# Allegro board MB1219_REVB_160112.brd (continued)
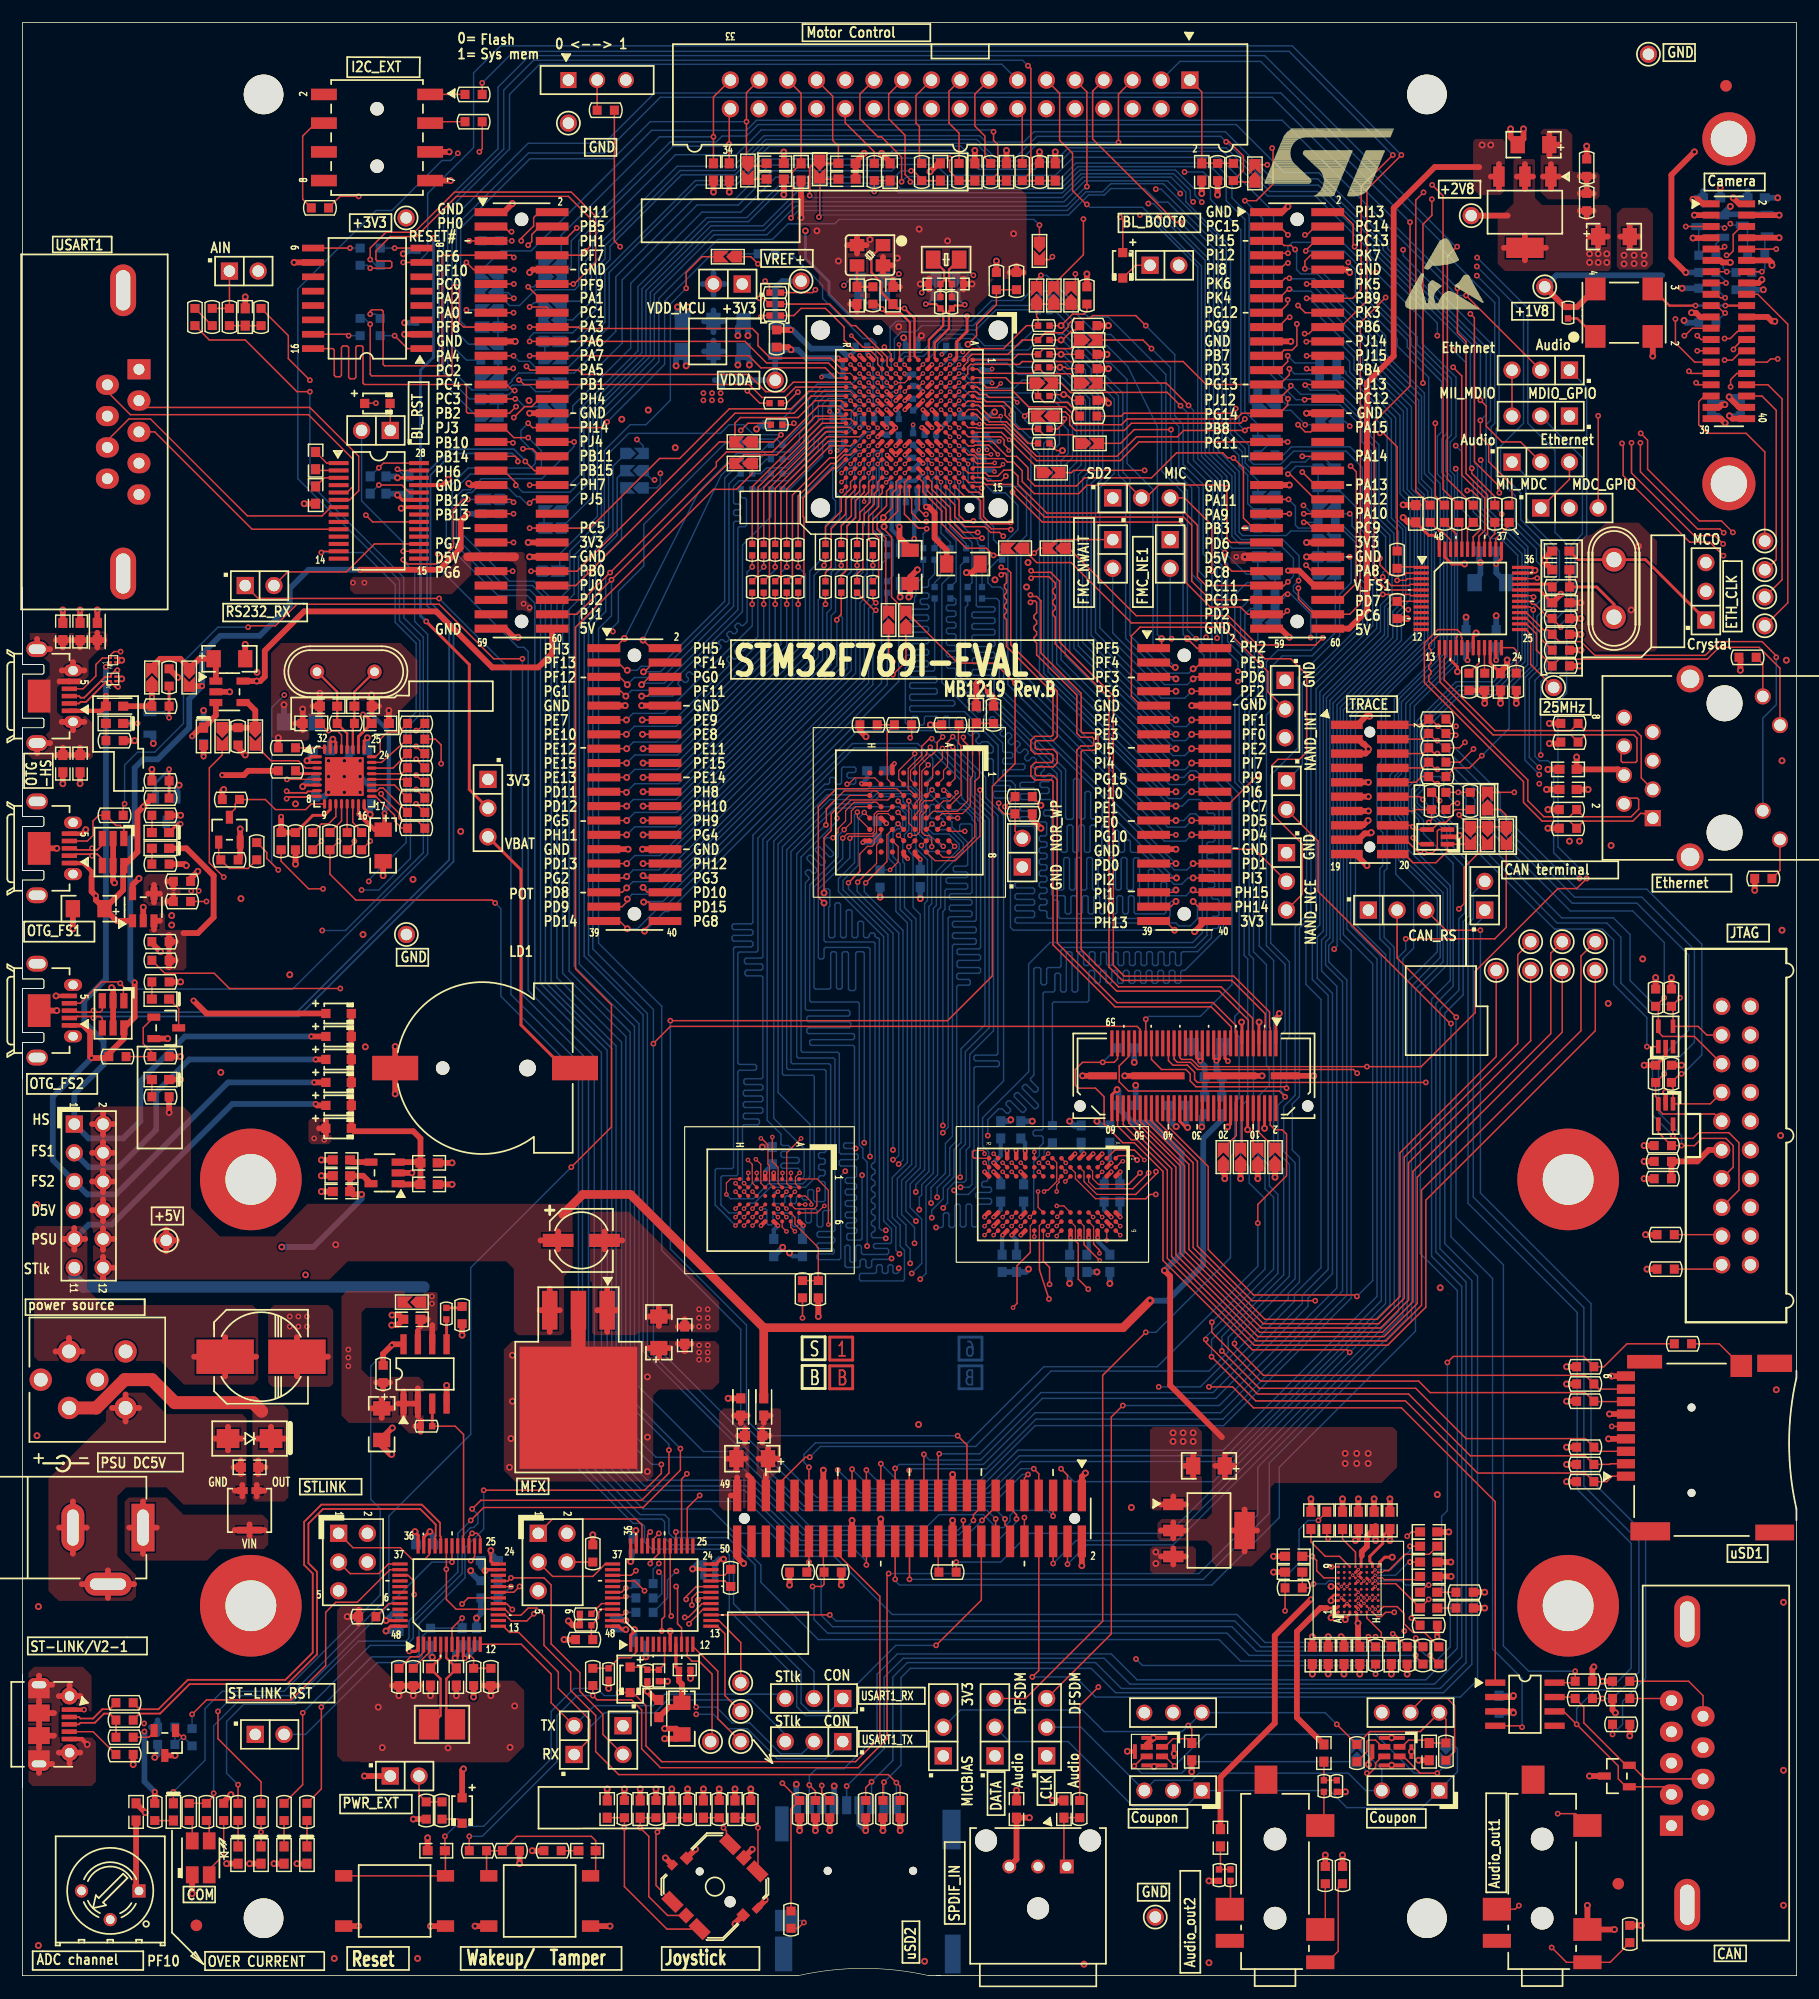
[diagram p0: board, top side]
## Routing (per net, layer and track width the routed paths; a pad name or vN(x,y) marks a point on that pad's centre or on a via; arc(x,y) is an arc through that point) (continued)
  BOTTOM w0.127: v1(52.07,123.44) 52.07,120.27 50.93,119.13 50.93,91.31 56.52,85.72 56.52,64.14 63.5,57.15 63.5,49.02 70.23,42.29 85.72,42.29 88.27,44.83 v1(89.41,44.83)
LCD_R3: length 192.4
  TOP w0.127: v1(88.9,44.32) 88.58,44.01 CN18.9 ; CN15.49 98.82,83.68 98.55,83.95 57.28,83.95 55.78,82.45 v1(55.78,82.42) ; U4.P7 73.24,138.46 72.66,138.46 72.3,138.81 70.36,138.81 66.29,134.75 62.23,134.75 61.34,133.86 61.34,133.48 v1(51.94,124.08) 49.53,121.67 CN5.56
  BOTTOM w0.127: v1(51.94,124.08) 51.56,123.7 51.56,120.65 50.42,119.51 50.42,90.81 55.78,85.45 v1(55.78,82.42) 55.78,55.85 69.72,41.91 85.98,41.91 88.39,44.32 v1(88.9,44.32)
LCD_R4: length 185.3
  TOP w0.102: U4.N8 v3(74.81,136.89)
  TOP w0.127: CN5.31 42.55,136.91 43.43,136.02 v1(44.7,136.02) ; v1(87.88,40.39) 87.88,40.77 87.31,41.34 CN18.11
  L4_SIG w0.102: v3(74.81,136.89) 74.19,136.27 73.66,136.27 73.18,135.79 71.04,135.79 70.47,135.22 68.21,135.22 66.73,133.73 56.44,133.73 v1(54.32,135.85) 54.03,136.14 44.83,136.14 v1(44.7,136.02)
  BOTTOM w0.127: SB59.1 54.86,135.31 v1(54.32,135.85) ; v1(87.88,40.39) 87.88,40.13 85.85,38.1 68.66,38.1 63.84,42.93 54.74,42.93 51.69,45.97 51.69,81.85 45.8,87.74 45.8,121.59 44.83,122.56 42.29,122.56 37.97,126.87 37.97,131.19 39.58,132.79 45.31,132.79 45.87,133.35 45.87,134.85 v1(44.7,136.02)
LCD_R5: length 174.5
  TOP w0.127: U4.M9 v3(74.81,136.09) ; CN5.34 v1(48.77,135.64) ; v1(84.84,40.26) 86.04,41.47 CN18.13
  L4_SIG w0.102: v3(74.81,136.09) 74.75,136.09 74.55,135.89 74.04,135.89 73.41,135.25 71.17,135.25 70.62,134.71 68.26,134.71 66.9,133.35 56.18,133.35 53.9,135.64 v1(48.77,135.64)
  BOTTOM w0.127: v1(48.77,135.64) 48.77,135.23 45.92,132.38 40.57,132.38 39.59,131.41 38.95,131.41 38.35,130.81 38.35,127.13 42.55,122.94 45.09,122.94 46.23,121.79 46.23,87.86 52.09,81.99 52.09,46.21 54.99,43.31 64,43.31 68.82,38.48 83.06,38.48 v1(84.84,40.26)
LCD_R6: length 173.3
  TOP w0.127: v1(44.83,130.23) 45.16,130.56 CN5.42 ; v3(74.41,130.36) 74.41,130.8 74.8,131.19 74.8,132.08 U4.M14 ; v1(84.07,40.26) 84.07,40.77 84.77,41.47 CN18.15
  L4_SIG w0.102: v3(74.41,130.36) 74.41,129.78 71.37,126.75 65.55,126.75 62.83,129.46 49.96,129.46 49.2,130.23 v1(44.83,130.23)
  BOTTOM w0.127: v1(44.83,130.23) 44.83,130.18 44.58,130.18 43.94,130.81 43.69,130.81 42.93,131.57 40.13,131.57 39.71,131.15 39.34,131.15 38.73,130.55 38.73,127.64 43.05,123.32 45.21,123.32 46.74,121.79 46.74,87.96 52.47,82.22 52.47,46.59 55.24,43.81 64.14,43.81 68.96,38.99 82.8,38.99 v1(84.07,40.26)
LCD_R7: length 206.1
  TOP w0.127: v1(101.98,100.89) CN11.27 ; CN5.51 v1(43.33,124.21) ; CN18.17 83.5,46.93 v1(82.68,47.75) ; U4.J15 77.61,131.06 77.38,130.83 77.38,129.51 76.17,128.31 v4(76.17,128.14) 76.17,127.92 76.83,127.25 76.83,121.92 SB20.1 82.68,116.08 85.98,116.08 v1(87.76,114.3) 87.76,107.19 85.75,105.18 85.75,88.42 81.79,84.45 v1(57.28,84.45)
  L4_SIG w0.102: v4(76.17,128.14) 74.68,126.65 74.68,123.7 73.91,122.94 64.01,122.94 62.36,124.59 49.91,124.59 49.07,123.75 44.65,123.75 44.2,124.21 v1(43.33,124.21)
  BOTTOM w0.127: v1(101.98,100.89) 101.17,100.89 v1(87.76,114.3) ; v1(82.68,47.75) 65.41,47.75 64.01,49.15 64.01,57.53 57.28,64.26 v1(57.28,84.45)
LED_STLINK: length 37.1
  TOP w0.127: v1(16.89,16.13) 16.89,15.88 R211.1 R210.1 ; U21.30 v1(37.97,36.58)
  BOTTOM w0.127: v1(37.97,36.58) 36.2,36.58 24,24.38 19.18,24.38 16.89,22.1 v1(16.89,16.13)
LOOP: length 7
  TOP w0.127: U22.14 61.56,31.41 63.5,29.46 TP22.1
MFX_SWCLK: length 7.6
  TOP w0.127: U22.37 51.52,36.41 50.42,35.31 46.86,35.31 CN21.3
MFX_SWDIO: length 11.8
  TOP w0.127: CN21.1 46.86,40.39 54.23,40.39 54.76,39.85 U22.34
MIC_CLK: length 38.2
  BOTTOM w0.127: JP24.2 93.58,21.97 CN24.3 100.09,17.27 103.38,17.27 104.01,17.91 117.22,17.91 118.76,16.37 CN25.3 120.19,18.24 SB79.1
MIC_DATA: length 49.5
  BOTTOM w0.127: JP23.2 87.25,20.7 92.46,20.7 98.17,14.99 102.89,14.99 CN24.1 115.59,16.37 117.09,14.86 123.76,14.86 CN25.1 125.27,16.43 126.87,18.03 126.87,20.07 126.49,20.45 SB78.2
MIC_VDD: length 60.4
  TOP w0.127: U25.1 121.96,20.24 122.56,20.83 124.12,20.83 C88.1 R191.2 125.86,22.67 CN25.4 123.6,21.59 119.13,21.59 R192.2 v1(116.2,22.23) ; v1(103.07,22.12) 103.38,21.82 C87.1 103,20.95 101.73,20.95 101.01,20.24 U24.1
  BOTTOM w0.127: JP22.2 82.93,23.5 93.73,23.5 95.63,21.59 102.54,21.59 v1(103.07,22.12) 103.13,22.12 CN24.4 115.17,23.26 v1(116.2,22.23)
NETB2_2: length 15.9
  TOP w0.127: B2.2 41.02,9.03 R217.1 R218.1 43.69,12.32 50.29,12.32 50.67,11.94 C100.2 50.67,9.28 B2.3
NETB3_1: length 40.7
  TOP w0.127: U22.20 59.55,34.41 58.67,33.53 v1(58.67,33.27) ; B3.1 56.01,7.98 56.01,12.57 v1(56.13,12.7) C92.2 R197.2
  L4_SIG w0.102: v1(58.67,33.27) 59.05,33.66 60.2,33.66 62.36,31.5 62.36,18.54 61.09,17.27 61.09,14.73 59.94,13.59 57.02,13.59 v1(56.13,12.7)
NETB3_2: length 40.6
  TOP w0.127: R196.2 C91.2 v1(54.61,13.08) 55.37,12.32 55.37,6.99 57.03,5.32 B3.2 ; v1(59.72,33.22) 59.9,33.41 U22.18
  L4_SIG w0.102: v1(54.61,13.08) 55.63,14.1 59.56,14.1 60.71,15.24 60.71,17.4 61.98,18.67 61.98,31.37 60.12,33.22 v1(59.72,33.22)
NETB3_3: length 43.9
  TOP w0.127: U22.19 59.69,33.9 59.18,33.4 v1(59.18,32.77) ; C90.2 R195.2 v1(53.21,13.08) 53.21,7.87 56.97,4.12 B3.3
  L4_SIG w0.102: v1(59.18,32.77) 60.45,31.5 60.45,23.11 59.56,22.23 59.56,15.37 58.8,14.61 54.74,14.61 v1(53.21,13.08)
NETB3_4: length 39.5
  TOP w0.127: B3.4 65.02,9.28 v1(65.02,13.08) 65.02,13.34 R199.2 C94.2 ; U22.39 53.82,35.41 v1(54.23,35.81)
  L4_SIG w0.102: v1(54.23,35.81) 54.23,35.69 56.01,33.91 58.04,33.91 58.29,34.16 61.21,34.16 65.28,30.1 65.28,13.34 v1(65.02,13.08)
NETB3_6: length 38.3
  TOP w0.127: U22.40 54.12,34.9 v1(54.99,34.04) ; B3.6 62.23,11.96 62.23,12.82 v1(61.98,13.07) 61.98,13.59 R198.2 C93.2
  L4_SIG w0.102: v1(54.99,34.04) 55.5,33.53 58.17,33.53 58.55,33.91 60.83,33.91 64.9,29.84 64.9,14.22 64.39,13.72 62.62,13.72 v1(61.98,13.07)
NETBT1_1: length 24.2
  TOP w0.254: BT1.1 47.88,80.26 44.07,84.07 44.07,97.79 JP15.3
NETC5_1: length 10
  TOP w0.508: 138.3,158.53 R6.1 ; R6.1 138.91,159.13 ; R6.1 137.69,159.13 ; U2.1 135.85,159.11 ; U2.1 135.14,158 ; U2.1 134.43,159.11 ; U2.1 135.14,160.21 ; 135,160.96 C5.1 ; C5.1 135.84,161.93 ; C5.1 135,162.89 ; R15.2 138.91,157.61 ; R15.2 138.3,158.2 ; R15.2 137.69,157.61
NETC6_2: length 49.3
  TOP w0.127: CN1.31 64.01,166.53 v1(64.01,163.96) 64.01,160.2 64.17,160.04 65.55,160.04 C6.2
  BOTTOM w0.127: SB45.1 39.24,145.8 38.73,146.3 38.73,154.56 44.86,160.68 52.22,160.68 55.5,163.96 v1(64.01,163.96)
NETC7_2: length 83.3
  TOP w0.127: C7.2 72.14,161.8 71.63,162.31 71.63,166.21 CN1.27
  TOP w0.155: v1(69.6,157.43) 69.6,159.89 69.98,160.27 C7.2
  BOTTOM w0.127: v1(69.6,157.43) 69.77,157.25 91.95,157.25 93.75,159.05 101.55,159.05 102.86,157.75 102.86,156.88 106.81,152.93 106.81,136.35 108.1,135.05 108.1,133.78 108.61,133.27 111.61,133.27 112.19,133.86 113.41,133.86 113.79,134.24 115.06,134.24 SB60.1 116.2,133.1
NETC8_2: length 27.2
  TOP w0.127: C8.2 v1(61.09,162.62) 61.09,166.15 CN1.33
  BOTTOM w0.127: SB34.1 47.62,153.92 56.32,162.62 v1(61.09,162.62)
NETC9_2: length 34.5
  TOP w0.127: CN1.34 62.48,165 v1(62.48,161.99) C9.2
  BOTTOM w0.127: 41.32,148.34 41.53,148.12 42.63,148.12 43.05,147.7 43.94,147.7 45.34,149.1 48.81,149.1 49.17,149.46 49.17,153.44 57.53,161.8 62.29,161.8 v1(62.48,161.99)
NETC10_2: length 78.3
  TOP w0.127: v1(67.94,155.45) 68.07,155.57 68.07,159.51 C10.2 68.83,166.47 CN1.29
  BOTTOM w0.127: v1(67.94,155.45) 68.61,156.11 92.38,156.11 94.03,157.76 95.5,157.76 96.22,158.47 100.86,158.47 106.43,152.91 106.43,136.17 107.85,134.75 107.85,133.6 109.22,132.23 SB64.1
NETC11_1: length 48.8
  TOP w0.127: C11.1 R7.2 v1(75.31,157.78)
  BOTTOM w0.127: v1(75.31,157.78) 75.21,157.89 68.61,157.89 65.47,154.75 60.86,154.75 55.12,149.01 55.12,143.28 50.06,138.23 50.06,131.98 SB67.2
NETC12_2: length 46.7
  TOP w0.127: C12.2 R8.1 79.5,158.88 78.77,159.61 v1(78.56,159.61)
  BOTTOM w0.127: 47.75,137.41 48.64,138.3 48.64,138.81 53.77,143.94 53.77,149.66 60.07,155.96 63.5,155.96 66.6,159.05 77.11,159.05 77.67,159.61 v1(78.56,159.61)
NETC13_2: length 57.2
  TOP w0.127: v1(81.97,160.73) 81.97,159.59 R9.1 C13.2
  BOTTOM w0.127: v1(81.97,160.73) 77.19,160.73 76.58,160.12 66.01,160.12 63.04,157.15 59.36,157.15 52.45,150.24 52.45,145.41 48.77,141.73 43.87,141.73 43.29,141.15 43.29,141.03 42.75,140.49 40.82,140.49 40.56,140.74 40.56,141.4
NETC14_2: length 53.3
  TOP w0.127: C14.2 R10.1 86.23,159.38 86.23,161.93 85.85,162.31 v1(85.85,163.07)
  BOTTOM w0.127: 47.62,148.08 49.28,148.08 49.78,148.59 49.78,151.64 50.42,152.27 50.42,153.72 57.73,161.04 63.12,161.04 65.3,163.22 85.7,163.22 v1(85.85,163.07)
NETC15_1: length 92.8
  TOP w0.127: v1(88.9,168.91) 89.15,168.66 89.15,159.51 R11.2 R12.1 C15.1
  BOTTOM w0.127: 40.64,139.45 SB51.2 39.5,139.45 37.21,141.73 37.21,156.21 42.55,161.54 42.55,166.75 45.19,169.39 88.42,169.39 v1(88.9,168.91)
NETC16_2: length 10.6
  TOP w0.127: R14.1 R13.1 C16.2 104.27,166.59 CN1.1
NETC17_1: length 1.7
  TOP w0.127: 64.14,159.05 64.32,158.88 C17.1
NETC18_2: length 78.1
  TOP w0.127: C18.2 70.87,158.88 ; SB1.1 70.49,159 70.49,155.61 v1(70.41,155.52)
  BOTTOM w0.127: v1(70.41,155.52) 70.59,155.7 92.48,155.7 94.26,157.48 95.66,157.48 96.22,158.05 99.2,158.05 100.41,156.84 101.27,156.84 105.71,152.4 105.71,134.87 107.57,133.02 107.57,127.66 107.87,127.36 111.73,127.36 112.14,127.76 115.32,127.76 SB70.1
NETC20_1: length 3.8
  TOP w0.203: X2.1 81.48,150.79 81.48,149.94 C20.1 R22.1
NETC21_1: length 3.8
  TOP w0.203: X2.2 81.92,150.87 81.92,149.86 82.17,149.61 R23.1
NETC22_1: length 3.3
  TOP w0.203: R20.2 C22.1 73.79,151.25 X1.3
NETC24_2: length 2.8
  TOP w0.127: R29.1 C24.2 R30.1
NETC25_1: length 2.4
  TOP w0.127: C25.1 26.89,133.77 U5.1
NETC25_2: length 2.1
  TOP w0.127: U5.2 26.02,133.12 C25.2
NETC26_2: length 2.4
  TOP w0.127: C26.2 26.67,132.47 U5.3
NETC28_1: length 14.6
  TOP w0.254: C28.1 137.54,125.22 X4.1 143.51,125.22 JP12.1
NETC29_1: length 12.2
  TOP w0.127: v3(81.21,134.49) U4.E11
  TOP w0.508: C29.1 81.71,126.06 80.64,127.13 80.64,129.36 80.11,129.9 v1(79.88,129.9)
  BOTTOM w0.127: v3(81.21,134.49) 80.83,134.11 80.16,134.11 80.01,133.96 80.01,132.59 79.88,132.46
  BOTTOM w0.381: 79.88,132.46 79.78,132.36 79.78,130.79 79.76,130.77 79.76,130.18 79.88,130.05 v1(79.88,129.9)
NETC31_2: length 7.2
  TOP w0.254: C31.2 R71.2 139.19,122.81 140.72,121.28 X4.2
NETC33_1: length 21.4
  TOP w0.508: 5.99,118.11 L1.2 ; L1.2 7.21,118.11 ; L1.2 6.6,118.76 ; L1.2 6.6,117.46 ; C43.1 5.08,108.6 ; C43.1 4.47,107.95 ; C43.1 5.69,107.95 ; 3.46,110.88 CN8.6 ; CN8.6 4.46,110.14 ; CN8.6 5.46,110.88 ; 3.26,114.46 CN8.5 5.01,114.46 ; C42.1 3.56,108.6 ; C42.1 4.17,107.95 ; C42.1 2.95,107.95 ; 5.08,117.46 C34.1 ; C34.1 4.47,118.11 ; C34.1 5.69,118.11 ; 1.28,118.21 CN8.8 2.44,117.31 ; C33.1 4.17,118.11 ; C33.1 2.95,118.11 ; C33.1 3.56,117.46 ; CN8.7 5.46,115.43 ; CN8.7 3.46,115.43 ; CN8.7 4.46,116.17 ; 1.28,108.1 CN8.9 2.44,109.01
NETC35_1: length 7.5
  TOP w0.508: 14.48,115.93 13.94,116.46 12.17,116.46 11.63,115.93 ; 14.96,115.8 15.62,116.46 C35.1 17.09,116.26 U7.1
NETC37_1: length 8
  TOP w0.203: X5.1 27.81,113.54 C37.1 R85.2 28.7,109.86 U8.28
NETC38_1: length 7.6
  TOP w0.203: X5.2 29.34,113.54 C38.1 R85.1 29.2,110.61 U8.27
NETC39_1: length 12.4
  TOP w0.102: 84,107.95 84,106.07 83.79,105.87 83.79,103.45 83.11,102.77 81.31,102.77 U9.B5
  TOP w0.127: R83.2 C39.1 84,110.41 84,107.95
NETC40_1: length 5
  TOP w0.127: C40.1 26.92,110.11 v1(27.05,110.11) 27.81,110.11 28.2,109.72 U8.29
  BOTTOM w0.127: v1(27.05,110.11) 26.67,110.11 C141.1
NETC41_1: length 19.4
  TOP w0.254: U8.26 29.7,109.58 C41.1 30.86,110.9 30.23,111.53 v1(30.1,111.53) ; U8.15 29.7,102.74
  TOP w0.381: v1(32,102.79) 32,101.47 C46.1 31.11,101.35 29.97,102.49 29.95,102.49 29.7,102.74
  BOTTOM w0.381: v1(30.1,111.53) 30.89,111.53 32.38,110.03 32.38,103.38 32,103 v1(32,102.79)
NETC48_2: length 1.9
  TOP w0.508: C48.2 29.15,71.94 U14.4
NETC49_2: length 24.7
  TOP w0.508: C49.2 35.12,71.94 U14.3 ; C49.2 35.18,74.04 34.54,74.68 29.32,74.68 D12.2 D11.2 D10.2 D9.2 D8.2 D6.2 ; C49.2 C51.2 33.27,69.98 U14.1
NETC59_1: length 8.6
  TOP w0.508: 65.91,45.72 66.75,45.72 ; 65.91,45.72 65.91,44.75 ; 65.91,45.72 65.91,46.69 ; 65.91,45.72 65.07,45.72 ; CN18.45 65.72,44.28 ; C59.1 65.41,48.36 ; C59.1 65.41,47.14 ; C59.1 66.05,47.75 ; 65.53,48.88 L5.2 66.14,49.53
NETC59_2: length 11.4
  TOP w0.508: 62.89,49.53 L4.2 ; L4.2 63.5,48.88 ; L4.2 64.11,49.53 ; 63.18,44.07 CN18.49 62.61,42.47 ; 63.12,44.75 C60.2 ; C60.2 63.96,45.72 ; C60.2 62.28,45.72 ; C60.2 63.12,46.69 ; 63.88,47.14 C59.2 ; C59.2 63.23,47.75 ; C59.2 63.88,48.36 ; CN18.47 64.45,43.93 64.14,44.25
NETC62_1: length 27.3
  TOP w0.508: Z1.2 21.97,48.54 ; Z1.2 23.17,47.5 ; Z1.2 21.97,46.46 ; Z1.2 20.76,47.5 ; 20.83,44.35 C62.1 ; C62.1 20.83,45.57 ; C62.1 21.48,44.96 ; D13.3 20.7,43.4 ; D13.3 21.37,42.89 ; D13.3 20.7,42.38
  TOP w1.143: 21.13,49.91 20.37,50.67 13.46,50.67 11.43,52.7 9.02,52.7 6.52,50.2 L3.1
NETC62_2: length 27
  TOP w0.508: 4.45,37.31 CN19.3 ; CN19.3 5.66,39.62 ; CN19.3 3.23,39.62 ; CN19.3 4.45,41.94 ; 5.23,34.62 CN19.2 ; CN19.2 7.54,33.4 ; CN19.2 7.54,35.84 ; CN19.2 9.86,34.62 ; 18.17,46.46 Z1.1 ; Z1.1 18.17,48.54 ; Z1.1 19.37,47.5 ; Z1.1 16.96,47.5 ; L3.2 9.1,51.4 ; L3.2 10.3,50.2 ; L3.2 9.1,49.01 ; L3.2 7.91,50.2 ; 19.43,42.38 19.43,42.89 ; 19.43,42.89 18.76,42.89 ; 19.43,42.89 19.43,43.4 ; 18.66,44.96 C62.2 ; C62.2 19.3,45.57 ; C62.2 19.3,44.35
NETC63_2: length 5.5
  TOP w0.127: C63.2 113.92,38.35 115.19,37.08 116.44,37.08 U20.C9
NETC64_1: length 5.4
  TOP w0.089: U20.D7 v2(117.61,35.41)
  TOP w0.127: C64.1 115.32,38.8 v1(115.44,38.67)
  L4_SIG w0.089: v2(117.61,35.41) 117.61,36.5 117.54,36.58
  L4_SIG w0.102: 117.54,36.58 v1(115.44,38.67)
NETC64_2: length 66.7
  TOP w0.127: R225.2 140.37,1.18 CN28.2 136.51,1.18 v1(135.2,2.49) ; R164.1 v1(111.63,32.26) ; v1(114.58,40.26) 114.68,40.36 114.68,40.39 C64.2
  L4_SIG w0.102: v1(135.2,2.49) 132.51,2.49 130.81,4.19 130.81,6.99 126.49,11.3 118.75,11.3 111.63,18.41 v1(111.63,32.26)
  BOTTOM w0.127: v1(111.63,32.26) 111.63,35.25 112.87,36.48 112.87,39.46 113.67,40.26 v1(114.58,40.26)
NETC65_1: length 3.8
  TOP w0.089: U20.D9 117.86,36.58
  TOP w0.127: C65.1 116.71,38.61 117.86,37.46 117.86,36.58
NETC69_1: length 7.4
  TOP w0.089: v2(118.61,34.91) 118.36,34.67 118.36,34.67 U20.E6
  TOP w0.127: v1(122.43,38.86) 122.81,39.24 C69.1
  L4_SIG w0.089: 119.76,36.58 118.61,35.42 v2(118.61,34.91)
  L4_SIG w0.102: 119.76,36.58 122.05,38.86 v1(122.43,38.86)
NETC70_1: length 6.2
  TOP w0.089: U20.H8 120.25,35.66 120.4,35.81
  TOP w0.127: C70.1 124.38,37.26 122.22,37.26 120.78,35.81 120.4,35.81
NETC70_2: length 5.4
  TOP w0.089: v2(119.59,35.89) 119.36,35.67 119.36,35.67 U20.G8
  TOP w0.127: C70.2 v1(122.68,37.97)
  BOTTOM w0.089: v2(119.59,35.89) 120.4,35.89
  BOTTOM w0.127: 120.4,35.89 120.98,35.89 122.68,37.59 v1(122.68,37.97)
NETC71_2: length 44.7
  TOP w0.127: U20.A7 116.34,35.18 115.06,35.18 114.43,35.81 114.43,36.7 v1(114.05,37.08) C71.2
  L4_SIG w0.102: JP22.1 82.88,20.9 92.02,20.9 105.38,34.26 111.61,34.26 114.05,36.7 v1(114.05,37.08)
NETC72_1: length 4.8
  TOP w0.089: U20.G7 119.36,35.17 119.36,35.17 v2(119.61,35.41)
  TOP w0.127: C72.1 v1(122.68,36.58)
  BOTTOM w0.089: 120.4,35.41 v2(119.61,35.41)
  BOTTOM w0.127: 120.4,35.41 121.39,35.41 122.56,36.58 v1(122.68,36.58)
NETC73_2: length 5.7
  TOP w0.089: U20.B6 116.86,34.66 116.86,34.66 v2(116.61,34.41)
  TOP w0.127: v1(114.15,34.65) 113.79,34.29 R164.2 C73.2
  BOTTOM w0.089: 115.82,34.91 115.9,34.91 116.17,34.65 116.38,34.65 v2(116.61,34.41)
  BOTTOM w0.127: v1(114.15,34.65) 115.23,34.65 115.49,34.91 115.82,34.91
NETC74_1: length 3.9
  TOP w0.089: 120.4,35.03 120.26,35.16 U20.H7
  TOP w0.127: 120.4,35.03 123.29,35.03 C74.1
NETC75_1: length 40.3
  TOP w0.089: U20.G6 119.36,34.67 119.36,34.67 v2(119.61,34.91)
  TOP w0.127: C75.1 124.21,34.54 v1(124.33,34.54) ; CN28.4 131.99,5.88 v1(132.31,6.2)
  L4_SIG w0.102: v1(132.31,6.2) 132.31,16.79 126.87,22.23 126.87,30.02 123.9,32.99 123.9,34.11 v1(124.33,34.54)
  BOTTOM w0.089: 120.4,34.91 v2(119.61,34.91)
  BOTTOM w0.127: 120.4,34.91 121.93,34.91 122.3,34.54 v1(124.33,34.54)
NETC75_2: length 1.7
  TOP w0.127: C75.2 R165.1
NETC76_1: length 32.7
  TOP w0.089: U20.H6 120.4,34.66
  TOP w0.127: v1(124.33,33.27) C76.1 121.42,34.66 120.4,34.66 ; CN28.6 137.32,14.33 v1(135.74,14.33)
  L4_SIG w0.102: v1(124.33,33.27) 127.23,30.37 127.23,22.37 135.28,14.33 v1(135.74,14.33)
NETC76_2: length 1.7
  TOP w0.127: C76.2 R166.1
NETC81_1: length 4
  TOP w0.127: C81.1 120.14,29.97 120.14,30.35 118.86,31.63 U20.F1
NETC82_2: length 8
  TOP w0.279: U22.9 57.76,27.33 58.04,27.05
  TOP w0.508: L6.2 57.15,23.75 57.91,23.75 C86.1 58.29,25.78 58.04,26.04 58.04,27.05
NETC83_2: length 5.1
  TOP w0.127: D14.1 55.01,27.29 R177.1 C83.2 56.76,27.55 U22.7
NETC89_1: length 2.8
  TOP w0.127: R194.1 R193.1 C89.1
NETC89_2: length 15.6
  TOP w0.254: U20.A2 116.21,32.51 115.32,32.51
  TOP w0.508: C89.2 112.67,22.83 112.67,30.43 114.76,32.51 115.32,32.51
NETC96_1: length 5.8
  TOP w0.127: R206.2 C96.1 92.08,9.91 CN29.1
NETC98_1: length 3.1
  TOP w0.127: C98.1 105.92,9.53 R220.2 R221.2
NETC98_2: length 27
  TOP w0.229: U20.B3 v2(116.61,33.41)
  TOP w0.508: v1(113.92,33.27) 110.72,30.07 110.72,22.33 105.92,17.53 C98.2
  L4_SIG w0.381: v2(116.61,33.41) 116.24,33.78 115.01,33.78 114.5,33.27 v1(113.92,33.27)
NETC100_1: length 1.5
  TOP w0.127: C100.1 R219.2
NETC131_2: length 3.2
  TOP w0.127: v1(33.15,133.22) 33.25,133.12 U5.27
  BOTTOM w0.127: v1(33.15,133.22) 33.78,132.59 C131.2
NETC133_1: length 4.9
  TOP w0.127: U5.24 34.19,131.17 33.53,131.83 v1(31.5,131.83)
  BOTTOM w0.127: v1(31.5,131.83) C133.1
NETC133_2: length 4.8
  TOP w0.127: v1(31.5,133.35) 31.91,133.77 U5.28
  BOTTOM w0.127: v1(31.5,133.35) C133.2
NETC136_2: length 9.2
  TOP w0.254: v1(130.3,116.33) 130.27,116.37 U6.23 ; v1(130.3,124.84) 130.77,125.31 U6.37 ; v1(127.77,116.33) U6.18
  BOTTOM w0.508: C139.1 v1(130.3,116.33) ; v1(127.77,116.33) 127.64,116.46 C140.2 ; C136.2 v1(130.3,124.84) 130.3,124.08 C138.1
NETC137_1: length 10.1
  TOP w0.127: U4.L11 v3(75.61,134.49)
  BOTTOM w0.127: 76.85,131.98 76.85,132.08 76.51,132.43 76.26,132.43 75.97,132.72 75.97,133.53 75.98,133.53 75.98,133.85 75.61,134.22 v3(75.61,134.49)
  BOTTOM w0.381: C137.1 77.47,126.57 77.47,127.25 76.85,127.88 76.85,131.85 76.85,131.85 76.85,131.98
NETC149_1: length 8.3
  TOP w0.254: 105.56,80.88 v1(105.56,80.9) ; 105.56,80.88 105.32,81.13 CN15.23 ; 105.56,80.88 105.56,80.87 105.59,80.9 105.61,80.9 105.64,80.87 105.82,81.05 CN15.21
  BOTTOM w0.508: C149.1 106.17,81.76 105.56,81.15 v1(105.56,80.9) 105.56,80.04 106.05,79.55 C150.1 L8.2
NETC149_2: length 8.4
  TOP w0.254: 104.14,80.84 103.82,81.16 CN15.29 ; 104.14,80.84 104.32,81.02 CN15.27 ; 104.14,80.84 v1(104.14,80.9)
  BOTTOM w0.508: L9.2 C150.2 104.52,80.46 104.14,80.84 v1(104.14,80.9) 104.14,81.28 C149.2
NETCN1_3: length 107.4
  TOP w0.127: v1(114.96,118.31) 114.33,117.68 109.19,117.68 106.6,120.27 98.48,120.27 92.51,126.24 SB18.2
  L4_SIG w0.102: v1(130.78,129.26) 127.29,129.26 126.17,128.14 121.67,128.14 119,125.48 119,122.94 114.96,118.9 v1(114.96,118.31)
  BOTTOM w0.127: v1(130.78,129.26) 129.86,130.19 129.86,136.97 130.18,137.29 130.18,147.96 125.35,152.78 125.35,153.42 109.47,169.29 102.33,169.29 CN1.3
NETCN1_5: length 67
  TOP w0.127: v1(96.9,162.13) 96.9,166.4 CN1.5
  BOTTOM w0.127: v1(96.9,162.13) 89.84,162.13 88.19,160.48 85.88,160.48 84.3,162.05 65.79,162.05 62.99,159.26 58.27,159.26 51.94,152.93 51.94,151.76 51.1,150.93 51.1,146.74 48.82,144.45 47.7,144.45
NETCN1_9: length 80
  TOP w0.127: v1(94.11,158.22) 94.11,166.59 CN1.9
  BOTTOM w0.127: SB73.1 47.5,125.73 50.83,129.06 50.83,138 55.85,143.03 55.85,148.67 61.14,153.95 65.82,153.95 68.35,156.49 92.3,156.49 93.85,158.04 93.93,158.04 v1(94.11,158.22)
NETCN1_11: length 55.4
  TOP w0.127: v1(94.11,156.64) 94.06,156.64 92.84,157.86 92.84,161.16 91.69,162.31 91.69,166.47 CN1.11
  BOTTOM w0.127: SB72.2 110.74,125.98 110.49,126.24 106.93,126.24 106.05,127.13 106.05,132.56 104.24,134.37 104.24,151.18 99.03,156.39 94.36,156.39 v1(94.11,156.64)
NETCN1_13: length 84.5
  BOTTOM w0.127: CN1.13 86.58,169.04 45.72,169.04 43.05,166.37 43.05,161.54 37.59,156.08 37.59,142.37 39.73,140.23 42.88,140.23 43.31,140.67 44.81,140.67 45.39,140.08 46.61,140.08 47.37,140.84 SB50.1
NETCN1_14: length 5
  TOP w0.127: CN1.14 88.39,164.69 R11.1
NETCN1_15: length 8.5
  TOP w0.127: R10.2 85.09,160.78 85.09,162.69 84.2,163.58 84.2,166.4 CN1.15
NETCN1_17: length 8.1
  TOP w0.127: CN1.17 81.92,166.65 81.92,163.83 82.8,162.94 R9.2
NETCN1_19: length 8.1
  TOP w0.127: R8.2 79.3,160.48 79.3,163.53 78.99,163.83 78.99,166.27 CN1.19
NETCN1_21: length 63.6
  TOP w0.127: CN1.21 76.58,166.4 76.58,164.21 78.03,162.76 78.03,159.28 78.5,158.82 v1(78.5,158.64)
  BOTTOM w0.127: v1(78.5,158.64) 78.74,158.39 91.72,158.39 93.31,159.98 105.07,159.98 106.43,158.62 106.43,156.97 108.08,155.32 108.08,138.33 109.22,137.19 SB57.2
NETCN1_23: length 63.3
  TOP w0.127: CN1.23 74.04,166.4 74.04,164.21 75.64,162.61 75.95,162.61 77.72,160.83 v1(77.72,158.65)
  BOTTOM w0.127: v1(77.72,158.65) 78.18,159.11 79.14,159.11 79.55,158.7 91.54,158.7 93.14,160.3 105.38,160.3 106.93,158.75 106.93,157.23 108.46,155.7 108.46,139.19 109.22,138.43
NETCN1_26: length 5.9
  TOP w0.127: R7.1 75.31,161.29 72.74,163.86 CN1.26
NETCN2_1: length 3.1
  TOP w0.127: R3.2 CN2.1
NETCN2_3: length 3.1
  TOP w0.127: R5.2 36.16,163.96 CN2.3
NETCN2_4: length 9
  TOP w0.127: CN2.4 25.91,163.83 24.77,162.69 24.77,157.1 R16.1
NETCN3_1: length 4.8
  TOP w0.127: R28.1 R29.2 CN3.1
NETCN4_15: length 189.4
  TOP w0.127: U22.33 55.27,39.01 v1(55.5,39.24) ; v1(150.62,149.69) CN4.15
  L4_SIG w0.102: v1(55.5,39.24) 56.64,38.1 65.07,38.1 65.84,38.86 84.81,38.86 85.55,39.6 85.55,40.61 85.8,40.87 87.1,40.87 90.93,44.7 90.93,45.36 98.53,52.96 106.88,52.96 116.23,62.31 116.23,86.06 121.21,91.03 121.21,91.92 122.71,93.42 122.71,94.95 123.49,95.73 125.35,95.73 130.86,101.24 130.86,106.22 134.37,109.73 136.75,109.73 141.02,114 142.82,114 145.92,117.09 153.21,117.09 155.19,119.08 155.19,133.86 153.8,135.25 153.8,146.52 v1(150.62,149.69)
  BOTTOM w0.127: v1(150.62,149.69) 150.62,149.86 R233.2
NETCN4_17: length 185.7
  TOP w0.127: v1(56.26,39.1) 55.76,38.61 U22.32 ; CN4.17 149.81,148.69 150.12,148.39 v1(150.55,148.39)
  L4_SIG w0.102: v1(56.26,39.1) 56.88,38.48 64.41,38.48 65.2,39.27 80.39,39.27 82.35,41.22 86.94,41.22 90.58,44.86 90.58,45.64 98.27,53.34 106.6,53.34 115.82,62.56 115.82,86.21 120.36,90.74 120.36,94.7 120.95,95.3 122.45,95.3 123.22,96.06 125.27,96.06 130.45,101.24 130.45,106.32 134.11,109.98 136.53,109.98 140.91,114.36 142.68,114.36 145.8,117.47 151,117.47 153.03,119.51 153.03,128.4 154.81,130.18 154.81,133.6 153.42,135 153.42,146.05 151.08,148.39 v1(150.55,148.39)
  BOTTOM w0.127: v1(150.55,148.39) 150.55,148.41 R236.1
NETCN4_18: length 32.2
  TOP w0.127: CN4.18 153.44,148.69 156.08,146.05 156.08,121.41 TP11.1
NETCN4_19: length 196.9
  TOP w0.127: U22.10 58.27,30.76 57.91,31.11 57.91,34.29 v1(57.78,34.42) ; CN4.19 149.82,147.69 150.47,147.04 v1(150.55,147.04)
  L4_SIG w0.102: v1(57.78,34.42) 56.26,34.42 54.86,35.81 54.86,39.37 55.31,39.81 58.08,39.81 58.98,38.91 64.03,38.91 64.8,39.67 80.24,39.67 82.22,41.66 86.87,41.66 90.17,44.96 90.17,45.83 98.07,53.72 106.48,53.72 115.37,62.61 115.37,86.28 120.07,90.98 120.07,94.79 120.93,95.66 122.3,95.66 123.04,96.39 125.09,96.39 129.97,101.27 129.97,106.63 133.58,110.24 136.42,110.24 140.85,114.67 142.61,114.67 145.8,117.86 150.75,117.86 152.65,119.76 152.65,128.78 154.43,130.56 154.43,133.35 153.03,134.75 153.03,145.54 151.54,147.04 v1(150.55,147.04)
  BOTTOM w0.127: v1(150.55,147.04) 149.73,146.23 R239.1
NETCN4_33: length 62.8
  TOP w0.127: SB3.1 v1(110.06,160.15) ; v1(147.98,140.87) 148.16,140.69 CN4.33
  L4_SIG w0.102: v1(147.98,140.87) 149.48,142.37 150.88,142.37 151.12,142.61 151.12,143.01 150.85,143.28 150.85,143.99 151.38,144.53 151.38,145.16 150.88,145.67 150.11,145.67 149.31,146.47 149.31,156.76 147.37,158.7 125.7,158.7 124.56,159.84 110.36,159.84 v1(110.06,160.15)
NETCN4_34: length 21.8
  TOP w0.127: CN4.34 154.33,140.69 155.57,139.45 155.57,123.44 TP10.1
NETCN4_35: length 18.1
  TOP w0.127: TP8.1 154.05,134.75 152.4,136.4 148.97,136.4 148.21,137.16 148.21,139.19 148.71,139.69 CN4.35
NETCN4_36: length 17.7
  TOP w0.127: TP9.1 154.18,124.33 155.07,125.22 155.07,138.43 153.8,139.69 CN4.36
NETCN5_3: length 40.5
  TOP w0.127: v1(43.23,154.23) 43,154.23 42.55,154.69 CN5.3
  L4_SIG w0.102: v1(43.23,154.23) 44.86,154.23 45.77,155.14 55.3,155.14 56.31,154.13 68.5,154.13 72.67,149.96 76.96,149.96 v1(77.49,150.5)
  BOTTOM w0.127: SB40.2 77.11,150.11 v1(77.49,150.5)
NETCN5_5: length 3.1
  TOP w0.127: v1(39.5,153.42) CN5.5
  BOTTOM w0.127: R226.2 v1(39.5,153.42)
NETCN5_6: length 30.1
  TOP w0.127: CN5.6 47.85,153.42 v1(49,154.56)
  L4_SIG w0.102: v1(49,154.56) 54.99,154.56 55.8,153.75 68.25,153.75 72.52,149.48 v1(72.62,149.48)
  BOTTOM w0.127: v1(72.62,149.48) 73.26,150.11 SB41.2
NETCN6_3: length 39.1
  TOP w0.127: CN6.3 111.15,154.69 v1(111.89,153.95)
  L4_SIG w0.102: v1(79.5,148.84) 79.76,149.1 84.2,149.1 85.67,150.57 87.68,150.57 91.31,154.2 111.63,154.2 v1(111.89,153.95)
  BOTTOM w0.127: v1(79.5,148.84) 79.88,149.22 79.88,149.86 80.14,150.11 SB39.2
